# Altium PCB PCB1.PcbDoc
Units mm, origin at the board's own origin, x right, y up, seen from the top; angles counter-clockwise.
Board outline 48.06 x 29.99 mm, 2 copper layers (Top Layer, Bottom Layer); 25 components, 31 nets, 96 pads, 94 vias.
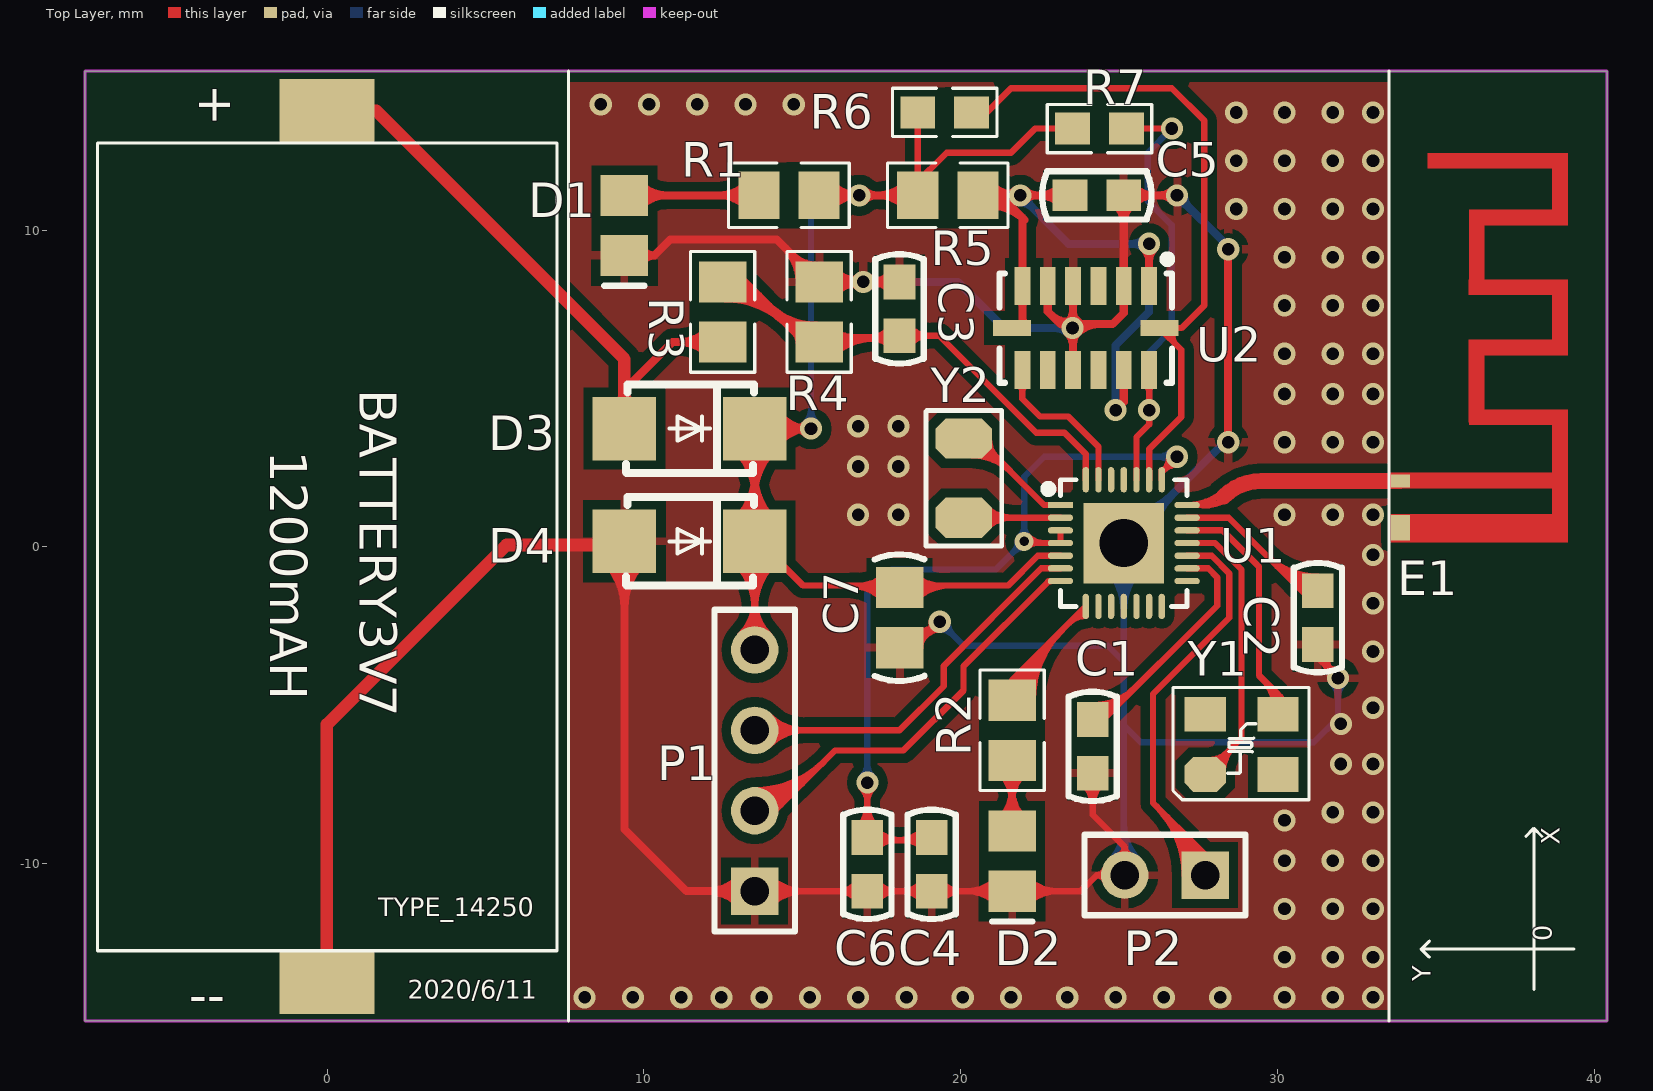
[diagram p0: Top Layer view]
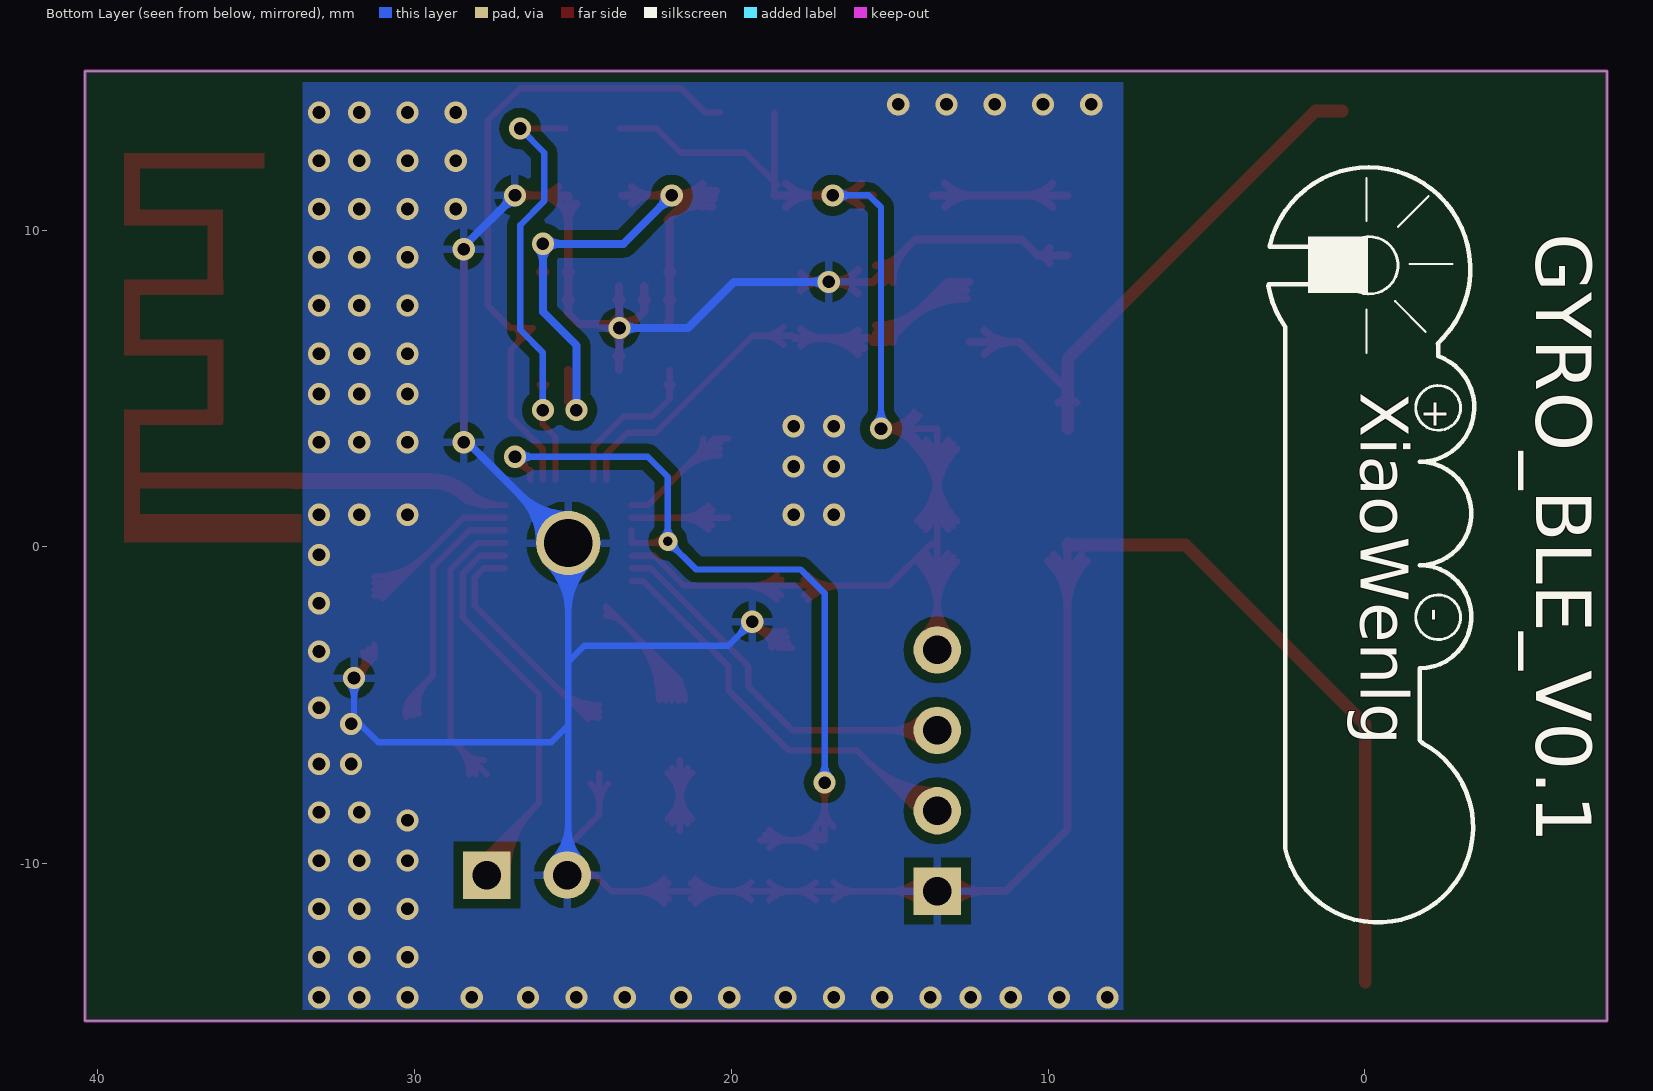
[diagram p1: Bottom Layer view, seen from below]

## Layer stack, top to bottom
Top Layer: signal copper 0.0356
Dielectric: dielectric 0.32, FR-4, Dk 4.8
Bottom Layer: signal copper 0.0356

## Board outline
-7.65,15.02 40.41,15.02 40.41,-14.97 -7.65,-14.97

## Design rules (kind name [scope] priority, off if disabled: settings)
Clearance [All] p1: gap=0.1
ComponentClearance [All] p1: gap=0.254 collisioncheckmode=3 verticalgap=0.254
PolygonConnect [All] p1: connectstyle=Relief reliefconductorwidth=0.254 reliefentries=4 polygonreliefangle="90 Angle"
RoutingVias [All] p1: holewidth=0.4 width=0.7 viastyle="Through Hole" minholewidth=0.3 minwidth=0.5 maxholewidth=0.6 maxwidth=1.5
SolderMaskExpansion [All] p1: expansion=0.102
TestPointUsage [All] p1: valid=0 allowmultiple=FALSE
Testpoint [All] p1: side=15 testpointundercomponent=TRUE minsize=1.016 maxsize=2.54 preferedsize=1.524 minholesize=0 maxholesize=1.016 preferedholesize=0.813 testpointgrid=0.025 style=1023 order=0-112345678
Width [All] p1: maxlimit=1.5 minlimit=0.127 preferedwidth=0.254 minimp=50.000000 maximp=50.000000 favimp=50.000000
18 further rules are at their usual default settings.

## Components (designator, comment, footprint, x,y, rotation, side; value= is the part's Value field where it differs from the comment)
C1 "Cap" C-RAD-0603 24.166,-6.3 r270 top
C2 "Cap" C-RAD-0603 31.278,-2.236 r270 top
C3 "Cap" C-RAD-0603 18.07,7.516 r270 top
C4 "Cap" C-RAD-0603 19.086,-10.022 r270 top
C5 "Cap" C-RAD-0603 24.3,11.099 r180 top
C6 "Cap" C-RAD-0603 17.054,-10.022 r90 top
C7 "Cap" C-RAD-0805 18.07,-2.236 r90 top
D1 "LED0" LED_0805 9.383,10.149 r270 top
D2 "LED0" LED_0805 21.626,-9.922 r270 top
D3 "SK34_C65008" SMA_L4.3-W2.6-LS5.2-RD 11.441,3.733 r180 top
D4 "TVS" SMA_L4.3-W2.6-LS5.2-RD 11.441,0.177 r180 top
E1 "ANTENNA" ANT-F-1-2.4G-1.6 33.881,2.082 r270 top
P1 "Header 4" HDR1X4 13.498,-10.872 r90 top
P2 "Header 2" HDR2X1_A 27.722,-10.364 r180 top
R1 "1K" 0805-1 14.58,11.099 r0 top
R2 "1K" 0805-1 21.626,-5.792 r90 top
R3 "54.9K" 0805-1 12.482,7.416 r270 top
R4 "110K" 0805-1 15.53,7.416 r270 top
R5 "10R" 0805-1 19.594,11.099 r180 top
R6 "10K" 0603-1 19.494,13.716 r180 top
R7 "10K" 0603-1 24.384,13.208 r180 top
U1 "CH579F" QFN28_4X4 23.15,1.32 r270 top
U2 "ADXL345BCCZ-RL7" LGA-14_L5.0-W3.0-P0.80-BL 23.95,6.908 r180 top
Y1 "32M" 3225 27.722,-5.284 r0 top
Y2 "32.768K" fc-135 20.102,0.92 r90 top

## Footprints (in the part's own frame and the unit in brackets; to place one, negate y for a bottom-side part, rotate by r counter-clockwise, add the part's x,y. Pads: shape width x height; smd on the part's side, far side on the other; paste and mask are expansions set on the pad)
0603-1 [mm] "贴片带丝印"
  rect 1.1x1 smd: 1(-0.85,0) 2(0.85,0)
  silkscreen extent -1.65,-0.76 1.65,0.76, body extent -1.14,-0.38 1.14,0.38, height 1
0805-1 [mm] "贴片带丝印"
  rect 1.3x1.5 smd: 1(-0.95,0) 2(0.95,0)
  silkscreen extent -1.91,-1.02 1.91,1.02, body extent -1.14,-0.51 1.14,0.51, height 1
3225 [mm]
  oct 1.3x1.1 smd: 1(0,-1.9)
  rect 1.3x1.1 smd: 2(2.3,-1.9) 3(2.3,0) 4(0,0)
  silkscreen extent -1.02,-2.7 3.27,0.84
ANT-F-1-2.4G-1.6 [mm]
  rect 0.8x0.6 smd: 0(1.483,0)
  rect 0.4x0.6 smd: 1(0,0)
  Top Layer region: 0.24,5.027 -0.26,5.027 -0.26,-0.304 0.24,-0.304
  Top Layer region: 1.94,5.002 1.04,5.002 1.04,-0.304 1.94,-0.304
  Top Layer region: 1.94,5.296 -2.26,5.296 -2.26,4.796 1.94,4.796
  Top Layer region: -1.759,4.991 -2.259,4.991 -2.259,2.171 -1.759,2.171
  Top Layer region: -1.85,2.651 -4.39,2.651 -4.39,2.156 -1.85,2.156
  Top Layer region: -3.96,4.976 -4.46,4.976 -4.46,2.156 -3.96,2.156
  Top Layer region: -3.955,5.296 -6.355,5.296 -6.355,4.796 -3.955,4.796
  Top Layer region: -5.863,4.977 -6.363,4.977 -6.363,2.157 -5.863,2.157
  Top Layer region: -5.869,2.665 -8.358,2.665 -8.358,2.165 -5.869,2.165
  Top Layer region: -8.069,4.982 -8.569,4.982 -8.569,2.162 -8.069,2.162
  Top Layer region: -8.06,5.296 -10.36,5.296 -10.36,4.796 -8.06,4.796
  Top Layer region: -9.86,4.976 -10.36,4.976 -10.36,0.856 -9.86,0.856
C-RAD-0603 [mm] "贴片电容"
  rect 1.1x1 smd: 1(-0.85,0) 2(0.85,0)
  silkscreen extent -1.73,-0.76 1.73,0.76, body extent -1.14,-0.38 1.14,0.38, height 1
C-RAD-0805 [mm] "贴片电容"
  rect 1.3x1.5 smd: 1(-0.95,0) 2(0.95,0)
  silkscreen extent -2,-0.79 2,0.79, body extent -1.27,-0.64 1.27,0.64, height 0.9
fc-135 [mil]
  oct 50x70 smd: 1(0,0) 2(98.43,0)
  silkscreen extent -35,-47 133,47
HDR1X4 [mm] "Connector; Header; 4 Position"
  rect 1.5x1.5 hole 0.9: 1(0,0)
  round 1.5 hole 0.9: 2(2.54,0) 3(5.08,0) 4(7.62,0)
  silkscreen extent -1.27,-1.27 8.89,1.27
HDR2X1_A [mm] "Connector; Header; 2 Position"
  rect 1.5x1.5 hole 0.9: 1(0,0)
  round 1.5 hole 0.9: 2(2.54,0)
  silkscreen extent -1.27,-1.27 3.81,1.27
LED_0805 [mm] "贴片二极管"
  rect 1.3x1.5 smd: 1(-0.95,0) 2(0.95,0)
  silkscreen extent 1.91,-0.63 1.91,0.64
LGA-14_L5.0-W3.0-P0.80-BL [mm]
  rect 0.5x1.2 smd: 1(-2,-1.325) 2(-1.2,-1.325) 3(-0.4,-1.325) 4(0.4,-1.325) 5(1.2,-1.325) 6(2,-1.325) 8(2,1.325) 9(1.2,1.325) 10(0.4,1.325) 11(-0.4,1.325) 12(-1.2,1.325) 13(-2,1.325)
  rect 1.2x0.5 smd: 7(2.325,0) 14(-2.325,0)
  silkscreen extent -2.72,-2.3 2.73,1.72
QFN28_4X4 [mm]
  rect 2.54x2.54 smd: 0(1.2,2)
  round 2.032 hole 1.524: 0(1.2,2)
  rect 0.2x0.8 smd: 1(0,0)
  oval 0.2x0.8 smd: 2(0.4,0) 3(0.8,0) 4(1.2,0) 5(1.6,0) 6(2,0) 7(2.4,0) 15(2.4,4) 16(2,4) 17(1.6,4) 18(1.2,4) 19(0.8,4) 20(0.4,4) 21(0,4)
  oval 0.8x0.2 smd: 8(3.2,0.8) 9(3.2,1.2) 10(3.2,1.6) 11(3.2,2) 12(3.2,2.4) 13(3.2,2.8) 14(3.2,3.2) 22(-0.8,3.2) 23(-0.8,2.8) 24(-0.8,2.4) 25(-0.8,2) 26(-0.8,1.6) 27(-0.8,1.2) 28(-0.8,0.8)
  silkscreen extent -0.8,-0.51 3.2,4
SMA_L4.3-W2.6-LS5.2-RD [mm]
  rect 2x2 smd: 1(-2.057,0) 2(2.057,0)
  silkscreen extent -2.03,-1.4 2.01,1.4

## Part data
C1 C2 C3 C4 C5 C6 C7: "无极性电容"
D1 D2: "发光二极管"
D3: library part Diode, "二极管"
D4: library part SK34_C65008
E1: "Generic Antenna"
P1: "Header, 4-Pin"
P2: "接插件"
R1 R2 R3 R4 R5 R6 R7: library part Res1, "贴片电阻"
U1: "ARM M0 MCU with Bluetooth-LowEnergy+Zigbee+Ethernet+USB"
Y1 Y2: library part XTAL, "Crystal Oscillator"

## Free pads (board coordinates)
  rect 3x2 smd: 0(-0.01,13.78) 1(-0.01,-13.75)

## Via types
v1: diameter 0.7, hole 0.4, Top Layer to Bottom Layer, 93 vias
v2: diameter 0.6, hole 0.3, Top Layer to Bottom Layer, 1 vias

## Nets (pads, with @x,y where several pads share a name; then routed paths per layer and width w, separated by ;. In a path a pad name is that pad's centre, name@x,y a point inside that pad or via, vN(x,y) a via of type N, cw(c..) or ccw(c..) an arc to the next point about the centre after c; other vN are vias at no path point)
+3V3: C7.2 D3.1 D4.1 P1.4 R1.2 R5.2 R6.2 R7.2 U1.5 | length 87.2
  Top Layer w0.2: D4.1@12.862,-0.459 cw(c11.325,-1.996) 13.498,-1.996 cw(c15.671,-1.996) D4.1@14.134,-0.459 ; D4.1@12.862,0.813 ccw(c11.325,2.35) 13.498,2.35 ccw(c15.671,2.35) D4.1@14.134,0.813 ; D3.1@12.862,3.097 cw(c11.325,1.56) 13.498,1.56 cw(c15.671,1.56) D3.1@14.134,3.097 ; D4.1@13.003,-0.318 cw(c11.808,-1.513) 13.498,-1.513 cw(c15.188,-1.513) D4.1@13.993,-0.318 ; D4.1@13.003,0.672 ccw(c11.808,1.867) 13.498,1.867 ccw(c15.188,1.867) D4.1@13.993,0.672 ; D3.1@13.003,3.238 cw(c11.808,2.043) 13.498,2.043 cw(c15.188,2.043) D3.1@13.993,3.238 ; P1.4@13.038,-2.792 ccw(c11.929,-1.683) 13.498,-1.683 ccw(c15.067,-1.683) P1.4@13.958,-2.792 ; D4.1@13.144,-0.177 cw(c12.291,-1.03) 13.498,-1.03 cw(c14.705,-1.03) D4.1@13.852,-0.177 ; D4.1@13.144,0.531 ccw(c12.291,1.384) 13.498,1.384 ccw(c14.705,1.384) D4.1@13.852,0.531 ; D3.1@13.144,3.379 cw(c12.291,2.526) 13.498,2.526 cw(c14.705,2.526) D3.1@13.852,3.379 ; P1.4@13.18,-2.934 ccw(c12.412,-2.166) 13.498,-2.166 ccw(c14.584,-2.166) P1.4@13.816,-2.934 ; P1.4 13.498,0.12 cw(c13.498,-0.324) 13.812,-0.01 15.022,-1.22 21.499,-1.22 22.439,-0.28 U1.5 ; D4.1 D3.1 v1(15.276,3.733) ; D3.1@14.062,3.319 cw(c14.881,2.717) 14.881,3.733 cw(c14.881,4.749) D3.1@14.062,4.147 ; D3.1@14.223,3.2 cw(c15.276,2.427) v1(15.276,3.733) ; D3.1@14.223,4.266 ccw(c15.276,5.039) v1(15.276,3.733) ; v1@15.099,3.556 ccw(c14.672,3.129) 14.672,3.733 ccw(c14.672,4.337) v1@15.099,3.91 ; 16.483,-1.22 cw(c16.483,-2.773) C7.2@17.581,-1.675 ; 16.802,-1.22 ccw(c16.802,-0.118) C7.2@17.581,-0.897 ; 16.966,-1.22 cw(c16.966,-2.29) C7.2@17.723,-1.533 ; 17.284,-1.22 ccw(c17.284,-0.6) C7.2@17.723,-1.039 ; C7.2@18.417,-1.533 cw(c19.174,-2.29) 19.174,-1.22 ; C7.2@18.417,-1.039 ccw(c18.856,-0.6) 18.856,-1.22 ; R5.2@18.542,11.43 19.558,12.446 21.59,12.446 22.352,13.208 R7.2 ; C7.2@18.559,-1.675 cw(c19.657,-2.773) 19.657,-1.22 ; C7.2@18.559,-0.897 ccw(c19.338,-0.118) 19.338,-1.22 ; R5.2 R6.2
  Top Layer w0.254: R1.2 R5.2 ; R1.2@15.9,10.729 cw(c16.793,9.836) 16.793,11.099 cw(c16.793,12.362) R1.2@15.9,11.469 ; v1@16.642,10.941 ccw(c16.262,10.561) 16.262,11.099 ccw(c16.262,11.637) v1@16.642,11.257 ; v1@16.958,10.941 cw(c17.338,10.561) 17.338,11.099 cw(c17.338,11.637) v1@16.958,11.257 ; R5.2@18.274,10.729 ccw(c17.381,9.836) 17.381,11.099 ccw(c17.381,12.362) R5.2@18.274,11.469
  Bottom Layer w0.2: v1@15.099,3.91 ccw(c14.672,4.337) 15.276,4.337 ccw(c15.88,4.337) v1@15.453,3.91 ; v1(15.276,3.733) 15.276,10.718 15.657,11.099 v1(16.8,11.099) ; v1@16.623,10.922 ccw(c16.196,10.495) 16.196,11.099 ccw(c16.196,11.703) v1@16.623,11.276
ANT: E1.1 U1.21 | length 9.6
  Top Layer w0.2: U1.21 ccw(c27.15,3.107) 28.413,1.843 cw(c28.99,1.267) 28.99,2.082 ; U1.21@27.43,1.32 ccw(c27.645,2.835) 28.98,2.087
  Top Layer w0.5: 28.308,1.589 cw(c29.498,0.4) 29.498,2.082 E1.1
BATTERY+3V7: D3.2 pad.0 R3.2 | length 20.8
  Top Layer w0.254: D3.2@9.102,4.559 ccw(c8.968,4.952) 9.383,4.952 ; D3.2@9.664,4.559 cw(c9.798,4.952) 9.383,4.952 ; R3.2@12.012,6.096 ccw(c11.119,5.203) 11.119,6.466 ccw(c11.119,7.729) R3.2@12.012,6.836 ; R3.2 10.897,6.466 9.383,4.952
  Top Layer w0.4: pad.0@0.72,13.76 1.55,13.76 9.383,5.927 D3.2
BOOT: P2.1 U1.17 | length 21.2
  Top Layer w0.2: 26.163,-8.17 cw(c23.97,-10.364) P2.1@27.072,-10.364 ; 26.505,-8.512 cw(c24.653,-10.364) P2.1@27.272,-10.364 ; 26.846,-8.853 cw(c25.335,-10.364) P2.1@27.472,-10.364 ; U1.17 27.925,-0.28 28.484,-0.839 28.484,-2.236 26.071,-4.649 26.071,-8.078 27.722,-9.729 P2.1 ; 27.188,-9.195 cw(c26.018,-10.364) P2.1@27.672,-10.364 ; 27.529,-9.536 cw(c26.701,-10.364) P2.1@27.872,-10.364
GND: C1.2 C2.2 C3.1 C4.2 C5.1 C6.1 C7.1 D1.2 D2.2 D4.2 P1.1 P2.2 pad.1 R4.1 U1.0 U2.2 U2.4 U2.5 U2.10 | length 190.3
  Top Layer w0.2: P1.1 23.785,-10.872 24.293,-10.364 ; P1.1@13.816,-11.19 cw(c14.584,-11.958) 14.584,-10.872 cw(c14.584,-9.786) P1.1@13.816,-10.554 ; P1.1@13.958,-11.332 cw(c15.067,-12.441) 15.067,-10.872 cw(c15.067,-9.303) P1.1@13.958,-10.412 ; C6.1@16.771,-11.155 ccw(c16.088,-11.838) 16.088,-10.872 ccw(c16.088,-9.906) C6.1@16.771,-10.589 ; C6.1@17.337,-11.155 cw(c18.02,-11.838) 18.02,-10.872 cw(c18.02,-9.906) C6.1@17.337,-10.589 ; C7.1 18.517,-3.186 v1(19.34,-2.363) cw(c18.565,-1.588) C7.1@18.302,-2.652 ; C7.1@18.206,-3.04 ccw(c18.366,-2.392) 18.839,-2.864 ; C7.1@18.254,-2.846 ccw(c18.466,-1.99) 19.089,-2.614 ; C7.1@18.72,-3.186 cw(c19.21,-3.186) 18.864,-2.839 ; C4.2@18.803,-11.155 ccw(c18.12,-11.838) 18.12,-10.872 ccw(c18.12,-9.906) C4.2@18.803,-10.589 ; v1@19.09,-2.363 cw(c18.486,-2.363) 18.913,-2.79 cw(c19.34,-3.217) v1@19.34,-2.613 ; C4.2@19.369,-11.155 cw(c20.052,-11.838) 20.052,-10.872 cw(c20.052,-9.906) C4.2@19.369,-10.589 ; D2.2@21.137,-11.261 ccw(c20.198,-12.2) 20.198,-10.872 ccw(c20.198,-9.544) D2.2@21.137,-10.483 ; D2.2@21.279,-11.119 ccw(c20.681,-11.717) 20.681,-10.872 ccw(c20.681,-10.027) D2.2@21.279,-10.625 ; D2.2@21.973,-11.119 cw(c22.571,-11.717) 22.571,-10.872 cw(c22.571,-10.027) D2.2@21.973,-10.625 ; D2.2@22.115,-11.261 cw(c23.054,-12.2) 23.054,-10.872 cw(c23.054,-9.544) D2.2@22.115,-10.483 ; C1.2@23.883,-7.483 cw(c23.2,-8.166) 24.166,-8.166 cw(c25.132,-8.166) C1.2@24.449,-7.483 ; C1.2 24.166,-8.459 25.182,-9.475 ; P2.2@24.563,-10.561 ccw(c24.293,-10.647) 24.293,-10.364 ; P2.2@24.563,-10.167 cw(c24.293,-10.081) 24.293,-10.364 ; P2.2@24.985,-9.745 ccw(c24.899,-9.475) 25.182,-9.475 ; P2.2@25.379,-9.745 cw(c25.465,-9.475) 25.182,-9.475 ; C2.2 31.278,-3.506 v1(31.913,-4.141) ; C2.2@31.455,-3.229 ccw(c31.858,-3.442) 31.536,-3.764 ; C2.2@31.632,-3.322 ccw(c32.11,-3.574) v1@31.728,-3.956 ; v1@31.663,-4.141 ccw(c31.059,-4.141) 31.486,-3.714 ccw(c31.913,-3.287) v1@31.913,-3.891 ; 24.293,-10.364 P2.2 25.182,-9.475
  Top Layer w0.254: D4.2@8.766,-0.44 cw(c7.276,-1.931) 9.383,-1.931 cw(c11.491,-1.931) D4.2@10.001,-0.44 ; D4.2@8.946,-0.261 cw(c7.889,-1.317) 9.383,-1.317 cw(c10.878,-1.317) D4.2@9.821,-0.261 ; D4.2 9.383,-8.916 11.339,-10.872 P1.1 ; D1.2 10.328,9.199 ; D1.2@9.951,8.966 cw(c10.328,8.778) 10.328,9.199 ; D1.2@9.951,9.432 ccw(c10.328,9.62) 10.328,9.199 ; P1.1@13.057,-11.313 ccw(c11.994,-12.376) 11.994,-10.872 ccw(c11.994,-9.368) P1.1@13.057,-10.431 ; P1.1@13.237,-11.133 ccw(c12.607,-11.763) 12.607,-10.872 ccw(c12.607,-9.981) P1.1@13.237,-10.611 ; 14.466,9.43 cw(c13.403,8.366) R4.1@14.907,8.366 ; 14.708,9.188 ccw(c15.43,9.91) R4.1@15.43,8.889 ; R4.1@14.9,8.996 cw(c14.27,8.366) R4.1@15.161,8.366 ; R4.1@16,7.996 cw(c16.893,7.103) 16.893,8.366 cw(c16.893,9.629) R4.1@16,8.736 ; v1@16.769,8.208 ccw(c16.389,7.828) 16.389,8.366 ccw(c16.389,8.904) v1@16.769,8.524 ; v1@17.085,8.208 cw(c17.465,7.828) 17.465,8.366 cw(c17.465,8.904) v1@17.085,8.524 ; C3.1@17.806,8.102 ccw(c17.17,7.466) 17.17,8.366 ccw(c17.17,9.266) C3.1@17.806,8.63 ; C3.1 R4.1 14.194,9.702 10.831,9.702 10.328,9.199 ; U2.5@22.663,7.796 cw(c22.453,7.586) 22.75,7.586 cw(c23.047,7.586) U2.5@22.837,7.796 ; U2.5 22.75,7.435 23.15,7.035 ; 22.877,7.308 ccw(c23.349,7.78) v1@23.486,7.126 ; v1@23.309,6.889 ccw(c23.15,6.876) 23.15,7.035 ; v1@23.373,6.75 cw(c22.947,6.324) 23.55,6.324 ; v1@23.373,7.066 ccw(c22.947,7.492) 23.55,7.492 ; v1@23.446,7.114 ccw(c23.381,7.27) 23.55,7.27 ; U2.10@23.463,6.02 ccw(c23.253,6.23) 23.55,6.23 ccw(c23.847,6.23) U2.10@23.637,6.02 ; U2.4@23.463,7.796 cw(c23.253,7.586) 23.55,7.586 cw(c23.847,7.586) U2.4@23.637,7.796 ; 23.546,7.274 cw(c23.349,7.076) v1@23.554,6.887 ; U2.10 23.55,6.673 23.912,7.035 ; 23.55,6.415 cw(c24.024,6.415) 23.689,6.75 cw(c24.376,6.063) 24.376,7.035 ; 23.55,7.401 ccw(c24.024,7.401) v1@23.689,7.066 ; U2.4 23.55,7.27 ; v1@23.646,7.099 cw(c23.75,7.27) 23.55,7.27 ; v1@23.785,7.035 23.55,7.27 ; C5.1@24.886,10.835 cw(c24.249,10.199) 25.15,10.199 cw(c26.05,10.199) C5.1@25.414,10.835 ; U2.2@25.063,7.796 cw(c24.853,7.586) 25.15,7.586 cw(c25.447,7.586) U2.2@25.237,7.796 ; U2.2@25.063,8.67 ccw(c24.853,8.88) 25.15,8.88 ccw(c25.447,8.88) U2.2@25.237,8.67 ; C5.1@25.464,10.835 cw(c26.1,10.199) 26.1,11.099 cw(c26.1,11.999) C5.1@25.464,11.363 ; v1@26.675,10.941 ccw(c26.295,10.561) 26.295,11.099 ccw(c26.295,11.637) v1@26.675,11.257 ; v1(26.833,11.099) C5.1 25.15,7.384 24.801,7.035 23.15,7.035
  Top Layer w0.4: pad.1 -0.01,-5.61 5.66,0.06 D4.2@9.383,0.06
  Bottom Layer w0.2: v1@19.34,-2.613 cw(c19.34,-3.217) 19.767,-2.79 cw(c20.194,-2.363) v1@19.59,-2.363 ; v1(19.34,-2.363) 20.102,-3.125 24.642,-3.125 25.15,-3.633 ; U1.0@24.502,-0.528 cw(c22.939,-2.091) 25.15,-2.091 cw(c27.361,-2.091) U1.0@25.798,-0.528 ; U1.0@24.644,-0.386 cw(c23.421,-1.609) 25.15,-1.609 cw(c26.879,-1.609) U1.0@25.656,-0.386 ; P2.2@24.722,-9.904 ccw(c23.69,-8.872) 25.15,-8.872 ; U1.0@24.785,-0.245 cw(c23.904,-1.126) 25.15,-1.126 cw(c26.396,-1.126) U1.0@25.515,-0.245 ; P2.2@24.864,-10.046 ccw(c24.173,-9.355) 25.15,-9.355 ; 25.15,-9.2 ccw(c26.346,-9.2) P2.2@25.5,-10.046 ; 25.15,-8.718 ccw(c26.828,-8.718) P2.2@25.642,-9.904 ; 25.15,-5.633 25.69,-6.173 31.151,-6.173 31.913,-5.411 v1(31.913,-4.141) ; U1.0@25.15,0.12 25.15,-10.332 P2.2 ; v1@31.736,-4.318 cw(c31.309,-4.745) 31.913,-4.745 cw(c32.517,-4.745) v1@32.09,-4.318
  Bottom Layer w0.254: v1(16.927,8.366) 19.914,8.366 21.372,6.908 v1(23.531,6.908) ; v1@17.085,8.208 cw(c17.465,7.828) 17.465,8.366 cw(c17.465,8.904) v1@17.085,8.524 ; v1@23.373,6.75 ccw(c22.993,6.37) 22.993,6.908 ccw(c22.993,7.446) v1@23.373,7.066 ; U1.0@25.15,0.12 v1@28.448,3.418 ; U1.0@25.15,0.755 ccw(c25.15,2.288) 26.234,1.204 ccw(c27.318,0.12) U1.0@25.785,0.12 ; U1.0@25.15,1.009 ccw(c25.15,3.155) 26.668,1.638 ccw(c28.185,0.12) U1.0@26.039,0.12 ; v1@26.833,10.876 cw(c26.833,10.338) 27.214,10.718 cw(c27.594,11.099) v1@27.056,11.099 ; v1(26.833,11.099) v1@28.448,9.484
  other v1: 8.128,-14.224 9.652,-14.224 11.176,-14.224 12.446,-14.224 13.716,-14.224 15.24,-14.224 16.764,-14.224 18.288,-14.224 20.066,-14.224 21.59,-14.224 23.368,-14.224 24.892,-14.224 26.416,-14.224 28.194,-14.224 30.226,-14.224 31.75,-14.224 33.02,-14.224 30.226,-12.954 31.75,-12.954 33.02,-12.954 30.226,-11.43 31.75,-11.43 33.02,-11.43 30.226,-9.906 31.75,-9.906 33.02,-9.906 30.226,-8.636 31.75,-8.382 33.02,-8.382 32.004,-6.858 33.02,-6.858 32.004,-5.588 33.02,-5.08 33.02,-3.302 33.02,-1.778 33.02,-0.254 16.764,1.016 18.034,1.016 30.226,1.016 31.75,1.016 33.02,1.016 16.764,2.54 18.034,2.54 28.448,3.302 30.226,3.302 31.75,3.302 33.02,3.302 16.764,3.81 18.034,3.81 30.226,4.826 31.75,4.826 33.02,4.826 30.226,6.096 31.75,6.096 33.02,6.096 30.226,7.62 31.75,7.62 33.02,7.62 30.226,9.144 31.75,9.144 33.02,9.144 28.448,9.398 28.702,10.668 30.226,10.668 31.75,10.668 33.02,10.668 28.702,12.192 30.226,12.192 31.75,12.192 33.02,12.192 28.702,13.716 30.226,13.716 31.75,13.716 33.02,13.716 8.636,13.97 10.16,13.97 11.684,13.97 13.208,13.97 14.732,13.97
INT1: U1.27 U2.8 | length 5.5
  Top Layer w0.2: U2.8@21.844,5.127 cw(c21.588,4.871) 21.95,4.871 cw(c22.312,4.871) U2.8@22.056,5.127 ; U2.8 21.95,4.679 22.515,4.114 23.404,4.114 24.35,3.168 U1.27
NetC5_2: C5.2 R5.1 U2.1 U2.6 U2.7 U2.12 | length 34.3
  Top Layer w0.254: R5.1@20.493,11.232 cw(c20.697,10.307) 21.367,10.977 ; R5.1 C5.2 ; R5.1@20.547,10.984 cw(c20.815,9.769) 21.695,10.649 ; R5.1@20.602,10.736 cw(c20.934,9.232) 22.023,10.321 ; R5.1@20.914,10.729 cw(c21.807,9.836) 21.807,11.099 cw(c21.807,12.362) R5.1@20.914,11.469 ; 21.245,11.099 21.95,10.394 U2.7@21.95,6.965 ; v1@21.722,10.941 ccw(c21.342,10.561) 21.342,11.099 ccw(c21.342,11.637) v1@21.722,11.257 ; U2.6@21.863,7.796 cw(c21.653,7.586) 21.95,7.586 cw(c22.247,7.586) U2.6@22.037,7.796 ; U2.6@21.863,8.67 ccw(c21.653,8.88) 21.95,8.88 ccw(c22.247,8.88) U2.6@22.037,8.67 ; 21.95,7.265 ccw(c22.332,7.265) U2.7@22.062,6.995 ; v1@22.038,10.941 cw(c22.418,10.561) 22.418,11.099 cw(c22.418,11.637) v1@22.038,11.257 ; C5.2@23.136,10.835 ccw(c22.499,10.199) 22.499,11.099 ccw(c22.499,11.999) C5.2@23.136,11.363 ; v1(24.892,4.318) 25.15,4.576 U2.12 ; v1@25.792,9.411 cw(c25.412,9.031) 25.95,9.031 cw(c26.488,9.031) v1@26.108,9.411 ; U2.1@25.863,8.67 ccw(c25.653,8.88) 25.95,8.88 ccw(c26.247,8.88) U2.1@26.037,8.67 ; U2.1 v1(25.95,9.569)
  Bottom Layer w0.254: v1@21.88,10.876 cw(c21.88,10.338) 22.261,10.718 cw(c22.641,11.099) v1@22.103,11.099 ; v1(21.88,11.099) 23.41,9.569 v1(25.95,9.569) 25.95,7.422 24.892,6.364 v1(24.892,4.318) ; v1@25.792,9.727 cw(c25.412,10.107) 25.412,9.569 cw(c25.412,9.031) 25.792,9.411 cw(c25.412,9.031) 25.95,9.031 cw(c26.488,9.031) v1@26.108,9.411
NetD1_1: D1.1 R1.1 | length 8.2
  Top Layer w0.254: D1.1 R1.1 ; D1.1@9.853,10.729 cw(c10.746,9.836) 10.746,11.099 cw(c10.746,12.362) D1.1@9.853,11.469 ; R1.1@13.26,10.729 ccw(c12.367,9.836) 12.367,11.099 ccw(c12.367,12.362) R1.1@13.26,11.469
NetD2_1: D2.1 R2.1 | length 9.1
  Top Layer w0.2: D2.1@21.237,-8.583 ccw(c20.298,-7.644) 21.626,-7.644 ccw(c22.954,-7.644) D2.1@22.015,-8.583 ; R2.1@21.237,-7.131 cw(c20.298,-8.07) 21.626,-8.07 cw(c22.954,-8.07) R2.1@22.015,-7.131 ; D2.1@21.379,-8.724 ccw(c20.781,-8.127) 21.626,-8.127 ccw(c22.471,-8.127) D2.1@21.873,-8.724 ; R2.1@21.379,-6.989 cw(c20.781,-7.587) 21.626,-7.587 cw(c22.471,-7.587) R2.1@21.873,-6.989 ; D2.1 R2.1
PA4: R6.1 U1.23 U2.14 | length 22
  Top Layer w0.2: R6.1 20.828,13.716 21.59,14.478 26.67,14.478 27.686,13.462 27.686,7.62 26.974,6.908 U2.14 26.96,6.223 26.96,4.1 25.95,3.09 U1.23 ; U2.14@26.584,6.937 ccw(c26.821,6.771) 26.617,6.567 ; U2.14@26.748,6.822 ccw(c27.019,6.632) 26.785,6.398
PA5: R7.1 U1.24 U2.13 | length 15.5
  Top Layer w0.2: R7.1 v1(26.67,13.208) ; U1.24 25.55,3.466 25.95,3.866 U2.13 ; U2.13@25.844,5.127 cw(c25.588,4.871) 25.95,4.871 cw(c26.312,4.871) U2.13@26.056,5.127
  Bottom Layer w0.2: v1(25.95,4.318) 25.95,6.138 26.67,6.858 26.67,10.16 25.908,10.922 25.908,12.446 v1(26.67,13.208)
PA8: P1.3 U1.6 | length 16.3
  Top Layer w0.2: P1.3 18.07,-5.792 19.467,-4.395 19.467,-3.76 22.547,-0.68 U1.6 ; P1.3@13.816,-6.11 cw(c14.584,-6.878) 14.584,-5.792 cw(c14.584,-4.706) P1.3@13.816,-5.474 ; P1.3@13.958,-6.252 cw(c15.067,-7.361) 15.067,-5.792 cw(c15.067,-4.223) P1.3@13.958,-5.332
PA9: P1.2 U1.7 | length 21.6
  Top Layer w0.2: P1.2@13.498,-8.482 ccw(c13.498,-7.311) 14.326,-8.139 ; P1.2 14.133,-8.332 16.038,-6.427 18.197,-6.427 20.088,-4.536 20.088,-3.774 22.782,-1.08 U1.7 ; P1.2@13.498,-8.282 ccw(c13.498,-6.628) 14.667,-7.798 ; P1.2@13.498,-8.082 ccw(c13.498,-5.945) 15.009,-7.456 ; P1.2@13.498,-7.882 ccw(c13.498,-5.263) 15.35,-7.115 ; P1.2@13.498,-7.682 ccw(c13.498,-4.58) 15.692,-6.773 ; 22.734,-1.128 cw(c22.85,-1.244) U1.7@22.85,-1.08
PA10: U1.2 Y2.1 | length 6.3
  Top Layer w0.2: Y2.1 U1.2 ; Y2.1@20.593,0.683 cw(c21.165,0.111) 21.165,0.92 cw(c21.165,1.729) Y2.1@20.593,1.157 ; Y2.1@20.734,0.542 cw(c21.648,-0.372) 21.648,0.92 cw(c21.648,2.212) Y2.1@20.734,1.298
PA11: U1.1 Y2.2 | length 7.5
  Top Layer w0.2: Y2.2 20.542,3.42 22.642,1.32 U1.1 ; Y2.2@20.356,2.885 cw(c20.356,1.144) 21.587,2.375 ; Y2.2@20.356,3.085 cw(c20.356,1.827) 21.245,2.717 ; Y2.2@20.356,3.285 cw(c20.356,2.51) Y2.2@20.904,3.058 ; Y2.2@20.891,3.42 ccw(c21.734,3.42) 21.138,2.824
PA12: C3.2 R3.1 R4.2 U1.28 | length 29.1
  Top Layer w0.2: C3.2 19.328,6.666 22.388,3.606 23.277,3.606 23.95,2.933 U1.28 ; C3.2@18.353,6.383 cw(c19.036,5.7) 19.036,6.666 cw(c19.036,7.632) C3.2@18.353,6.949
  Top Layer w0.254: R3.1 13.183,8.366 15.083,6.466 R4.2 ; R3.1@12.582,7.843 cw(c12.582,5.129) 14.501,7.048 ; R3.1@12.582,8.097 cw(c12.582,5.997) 14.067,7.482 ; R3.1@12.582,8.351 cw(c12.582,6.864) 13.634,7.915 ; 13.945,7.604 ccw(c15.43,9.089) R4.2@15.43,6.989 ; 14.378,7.171 ccw(c15.43,8.222) R4.2@15.43,6.735 ; R4.2@14.783,6.766 cw(c14.482,6.466) R4.2@14.907,6.466 ; R4.2@14.812,6.737 ccw(c15.43,7.355) R4.2@15.43,6.481 ; R4.2@15.53,6.527 15.657,6.593 C3.2@17.997,6.593 ; R4.2@15.82,6.276 cw(c16.586,5.51) 16.586,6.593 cw(c16.586,7.422) R4.2@16,6.836 ; R4.2@16,6.096 cw(c17.199,4.897) 17.199,6.593 ; 17.114,6.593 ccw(c17.114,7.572) C3.2@17.806,6.88 ; 17.225,6.593 cw(c17.225,5.771) C3.2@17.806,6.352
PA14: U1.26
PA15: U1.25
PB4: U1.15
PB7: U1.14
PB10: U1.13
PB11: U1.12
PB12: U1.11
PB13: U1.10
PB14: U1.9
PB15: R2.2 U1.8 | length 13.1
  Top Layer w0.2: R2.2@21.476,-4.842 cw(c22.654,-4.842) 21.821,-4.009 ; R2.2 21.626,-4.204 U1.8 ; R2.2@21.676,-4.842 cw(c23.337,-4.842) 22.162,-3.668 ; R2.2@21.876,-4.842 cw(c24.02,-4.842) 22.504,-3.326 ; R2.2@22.076,-4.842 cw(c24.703,-4.842) 22.845,-2.985 ; R2.2@22.276,-4.842 cw(c25.386,-4.842) 23.187,-2.643 ; 23.438,-2.392 cw(c23.95,-2.904) U1.8@23.95,-2.18 ; 23.779,-2.051 cw(c23.95,-2.221) U1.8@23.95,-1.98
PB23: C1.1 U1.16 | length 10.4
  Top Layer w0.2: C1.1@24.166,-5.4 ccw(c24.166,-4.454) 24.835,-5.123 ; C1.1@24.166,-5.2 ccw(c24.166,-3.771) 25.177,-4.781 ; C1.1@24.166,-5 ccw(c24.166,-3.088) 25.518,-4.44 ; C1.1@24.508,-5.45 28.103,-1.855 28.103,-0.966 27.817,-0.68 U1.16
VDCIA: C4.1 C6.2 U1.3 U1.4 U1.22 | length 36.6
  Top Layer w0.2: C6.2@16.771,-8.839 ccw(c16.088,-8.156) 17.054,-8.156 ccw(c18.02,-8.156) C6.2@17.337,-8.839 ; v1@16.877,-7.62 cw(c16.45,-8.047) 17.054,-8.047 cw(c17.658,-8.047) v1@17.231,-7.62 ; C6.2@17.054,-9.26 C4.1@19.086,-9.26 ; C6.2 v1(17.054,-7.443) ; C6.2@17.195,-9.081 ccw(c17.629,-8.647) 17.629,-9.26 ; C6.2@17.337,-9.505 cw(c17.928,-10.096) 17.928,-9.26 ; C6.2@17.337,-8.939 ccw(c18.111,-8.165) 18.111,-9.26 ; 18.029,-9.26 ccw(c18.029,-8.165) C4.1@18.803,-8.939 ; 18.212,-9.26 cw(c18.212,-10.096) C4.1@18.803,-9.505 ; 18.511,-9.26 ccw(c18.511,-8.647) C4.1@18.945,-9.081 ; v2@22.007,0.12 U1.4 U1.3 ; v2@22.148,0.036 cw(c22.352,-0.168) 22.352,0.12 ; v2@22.148,0.318 ccw(c22.627,0.797) 22.627,0.12 ; U1.22 26.35,2.361 v1(26.833,2.844) ; U1.22@26.35,2.42 ccw(c26.35,2.562) 26.451,2.462 ; v1@26.583,2.844 cw(c25.979,2.844) 26.406,2.417 cw(c26.833,1.99) v1@26.833,2.594
  Bottom Layer w0.2: v1@16.877,-7.266 ccw(c16.45,-6.839) 17.054,-6.839 ccw(c17.658,-6.839) v1@17.231,-7.266 ; v1(17.054,-7.443) 17.054,-1.474 17.816,-0.712 21.118,-0.712 v2(22.007,0.177) 22.007,2.209 22.642,2.844 v1(26.833,2.844) ; v2@21.807,0.177 cw(c21.324,0.177) 21.666,-0.164 cw(c22.007,-0.506) v2@22.007,-0.023 ; v2@21.866,0.318 ccw(c21.524,0.66) 22.007,0.66 ccw(c22.49,0.66) v2@22.148,0.318 ; v1@26.656,2.667 ccw(c26.229,2.24) 26.229,2.844 ccw(c26.229,3.448) v1@26.656,3.021
VINTA: C2.1 U1.20 | length 9.9
  Top Layer w0.2: U1.20 28.464,0.92 C2.1@31.004,-1.621 ; 29.643,-0.259 ccw(c31.278,1.377) C2.1@31.278,-0.936 ; 29.984,-0.6 ccw(c31.278,0.694) C2.1@31.278,-1.136 ; 30.325,-0.941 ccw(c31.278,0.011) C2.1@31.278,-1.336 ; 30.667,-1.283 ccw(c31.278,-0.672) C2.1@31.278,-1.536
X32MI: U1.19 Y1.3 | length 10.9
  Top Layer w0.2: U1.19 28.268,0.52 29.42,-0.632 29.42,-4.061 30.022,-4.663 ; 29.569,-4.21 cw(c28.763,-5.016) Y1.3@29.873,-5.273 ; 29.824,-4.465 cw(c29.177,-5.112) Y1.3@30.068,-5.318 ; Y1.3@29.882,-4.856 ccw(c29.819,-4.663) 30.022,-4.663 ; Y1.3 30.022,-4.663 ; 30.079,-4.72 cw(c29.591,-5.207) Y1.3@30.263,-5.363 ; Y1.3@30.162,-4.856 cw(c30.225,-4.663) 30.022,-4.663
X32MO: U1.18 Y1.1 | length 11.4
  Top Layer w0.2: U1.18 28.033,0.12 28.865,-0.712 28.865,-6.041 Y1.1 ; Y1.1@27.822,-6.734 ccw(c27.822,-5.889) 28.419,-6.487 ; Y1.1@28.072,-7.184 cw(c28.917,-7.184) 28.319,-6.587 ; Y1.1@28.272,-7.184 cw(c29.6,-7.184) 28.661,-6.245
pads on no net: E1.0 U2.3 U2.9 U2.11 Y1.2 Y1.4
copper on no net: | length 6.1
  Top Layer w0.254: 28.448,3.418 28.448,9.484

## Polygon pours and split planes (outlines as drawn)
GND on Top Layer "Top Layer-No Net" (solid, remove dead copper): 7.62,15.02 33.528,15.02 33.528,-14.97 7.62,-14.97
GND on Bottom Layer "Top Layer-No Net" (solid, remove dead copper): 7.62,15.02 33.528,15.02 33.528,-14.97 7.62,-14.97

## Keep-outs
Keep-Out Layer:
  the board outline again, w0.1

## Silkscreen, mask and mechanical layers (free items; w line width, h text height)
Top Overlay:
  lines w0.1: 7.62,-14.97 7.62,15.02 ; 33.528,-14.97 33.528,15.02 ; 34.798,-12.954 34.544,-12.7 ; 34.798,-12.446 34.544,-12.7 ; 37.846,-9.144 38.1,-8.89 ; 38.1,-13.97 38.1,-8.89 ; 38.354,-9.144 38.1,-8.89 ; 39.37,-12.7 34.544,-12.7 ; -7.25,-12.75 7.25,-12.75 7.25,12.75 -7.25,12.75 -7.25,-12.75
  text "+" at -2.67,13.28 h2 r90
  text "BATTERY3V7" at 0.64,4.97 h2 r270
  text "1200mAH" at -2.2,3.03 h2 r270
  text "X" at 39.116,-9.398 h1 r90
  text "TYPE_14250" at 1.61,-11.87 h1
  text "0" at 38.862,-12.446 h1 r90
  text "--" at -3.22,-13.45 h2 r180
  text "Y" at 35.052,-13.716 h1 r90
  text "2020/6/11" at 2.54,-14.478 h1
Bottom Overlay:
  circle w0.091: c-2.317,-2.222 r0.707
  circle w0.091: c-2.317,4.388 r0.707
  circle w0.091: c-0.143,8.89 r0.905
  region: -0.104,9.8 -0.104,8.022 1.801,8.022 1.801,9.8
  lines w0.071: -2.769,8.932 -1.411,8.932 ; -2.009,11.07 -1.049,10.109 ; -1.919,6.795 -0.958,7.755 ; -0.053,6.125 -0.053,7.483 ; -0.053,10.29 -0.053,11.648 ; 2.512,-9.501 2.518,-9.507
  lines w0.143: -2.313,6.409 -2.313,6.025 ccw(c-1.736,4.405) -1.736,2.684 ccw(c-1.736,1.055) -1.736,-0.575 ccw(c-1.736,-2.205) -1.736,-3.835 -1.736,-6.112 -1.826,-6.202 ccw(c-0.415,-8.855) 2.518,-9.507 ; -2.298,6.417 cw(c-0.124,8.777) 2.999,9.512 ; 1.758,8.298 3.026,8.298 ; 1.758,9.475 2.999,9.475 ; 2.512,-9.501 2.512,6.943 ccw(c-0.12,8.777) 3.045,8.25
  text "GYRO_BLE_V0.1" at -4.826,9.906 h3 r90
  text "XiaoWenlg" at 0.628,4.877 h2.6 r90
  text "+" at -1.864,4.676 h0.86 r90
  text "-" at -1.864,-1.933 h0.86 r90

## Dimensions
-7.65,15.02 to 40.41,15.02 on Mechanical 1
40.41,15.02 to 40.41,-14.97 on Mechanical 1